# Altium PCB Mainboard_V1.0.PcbDoc (part 4 of 4)
Units mm, origin at the board's own origin, x right, y up, seen from the top; angles counter-clockwise.
Board outline 150 x 150 mm, 4 copper layers (Top Layer, Mid-Layer 1, Mid-Layer 2, Bottom Layer), stack 1.58 mm thick; 217 components, 154 nets, 806 pads, 700 vias.
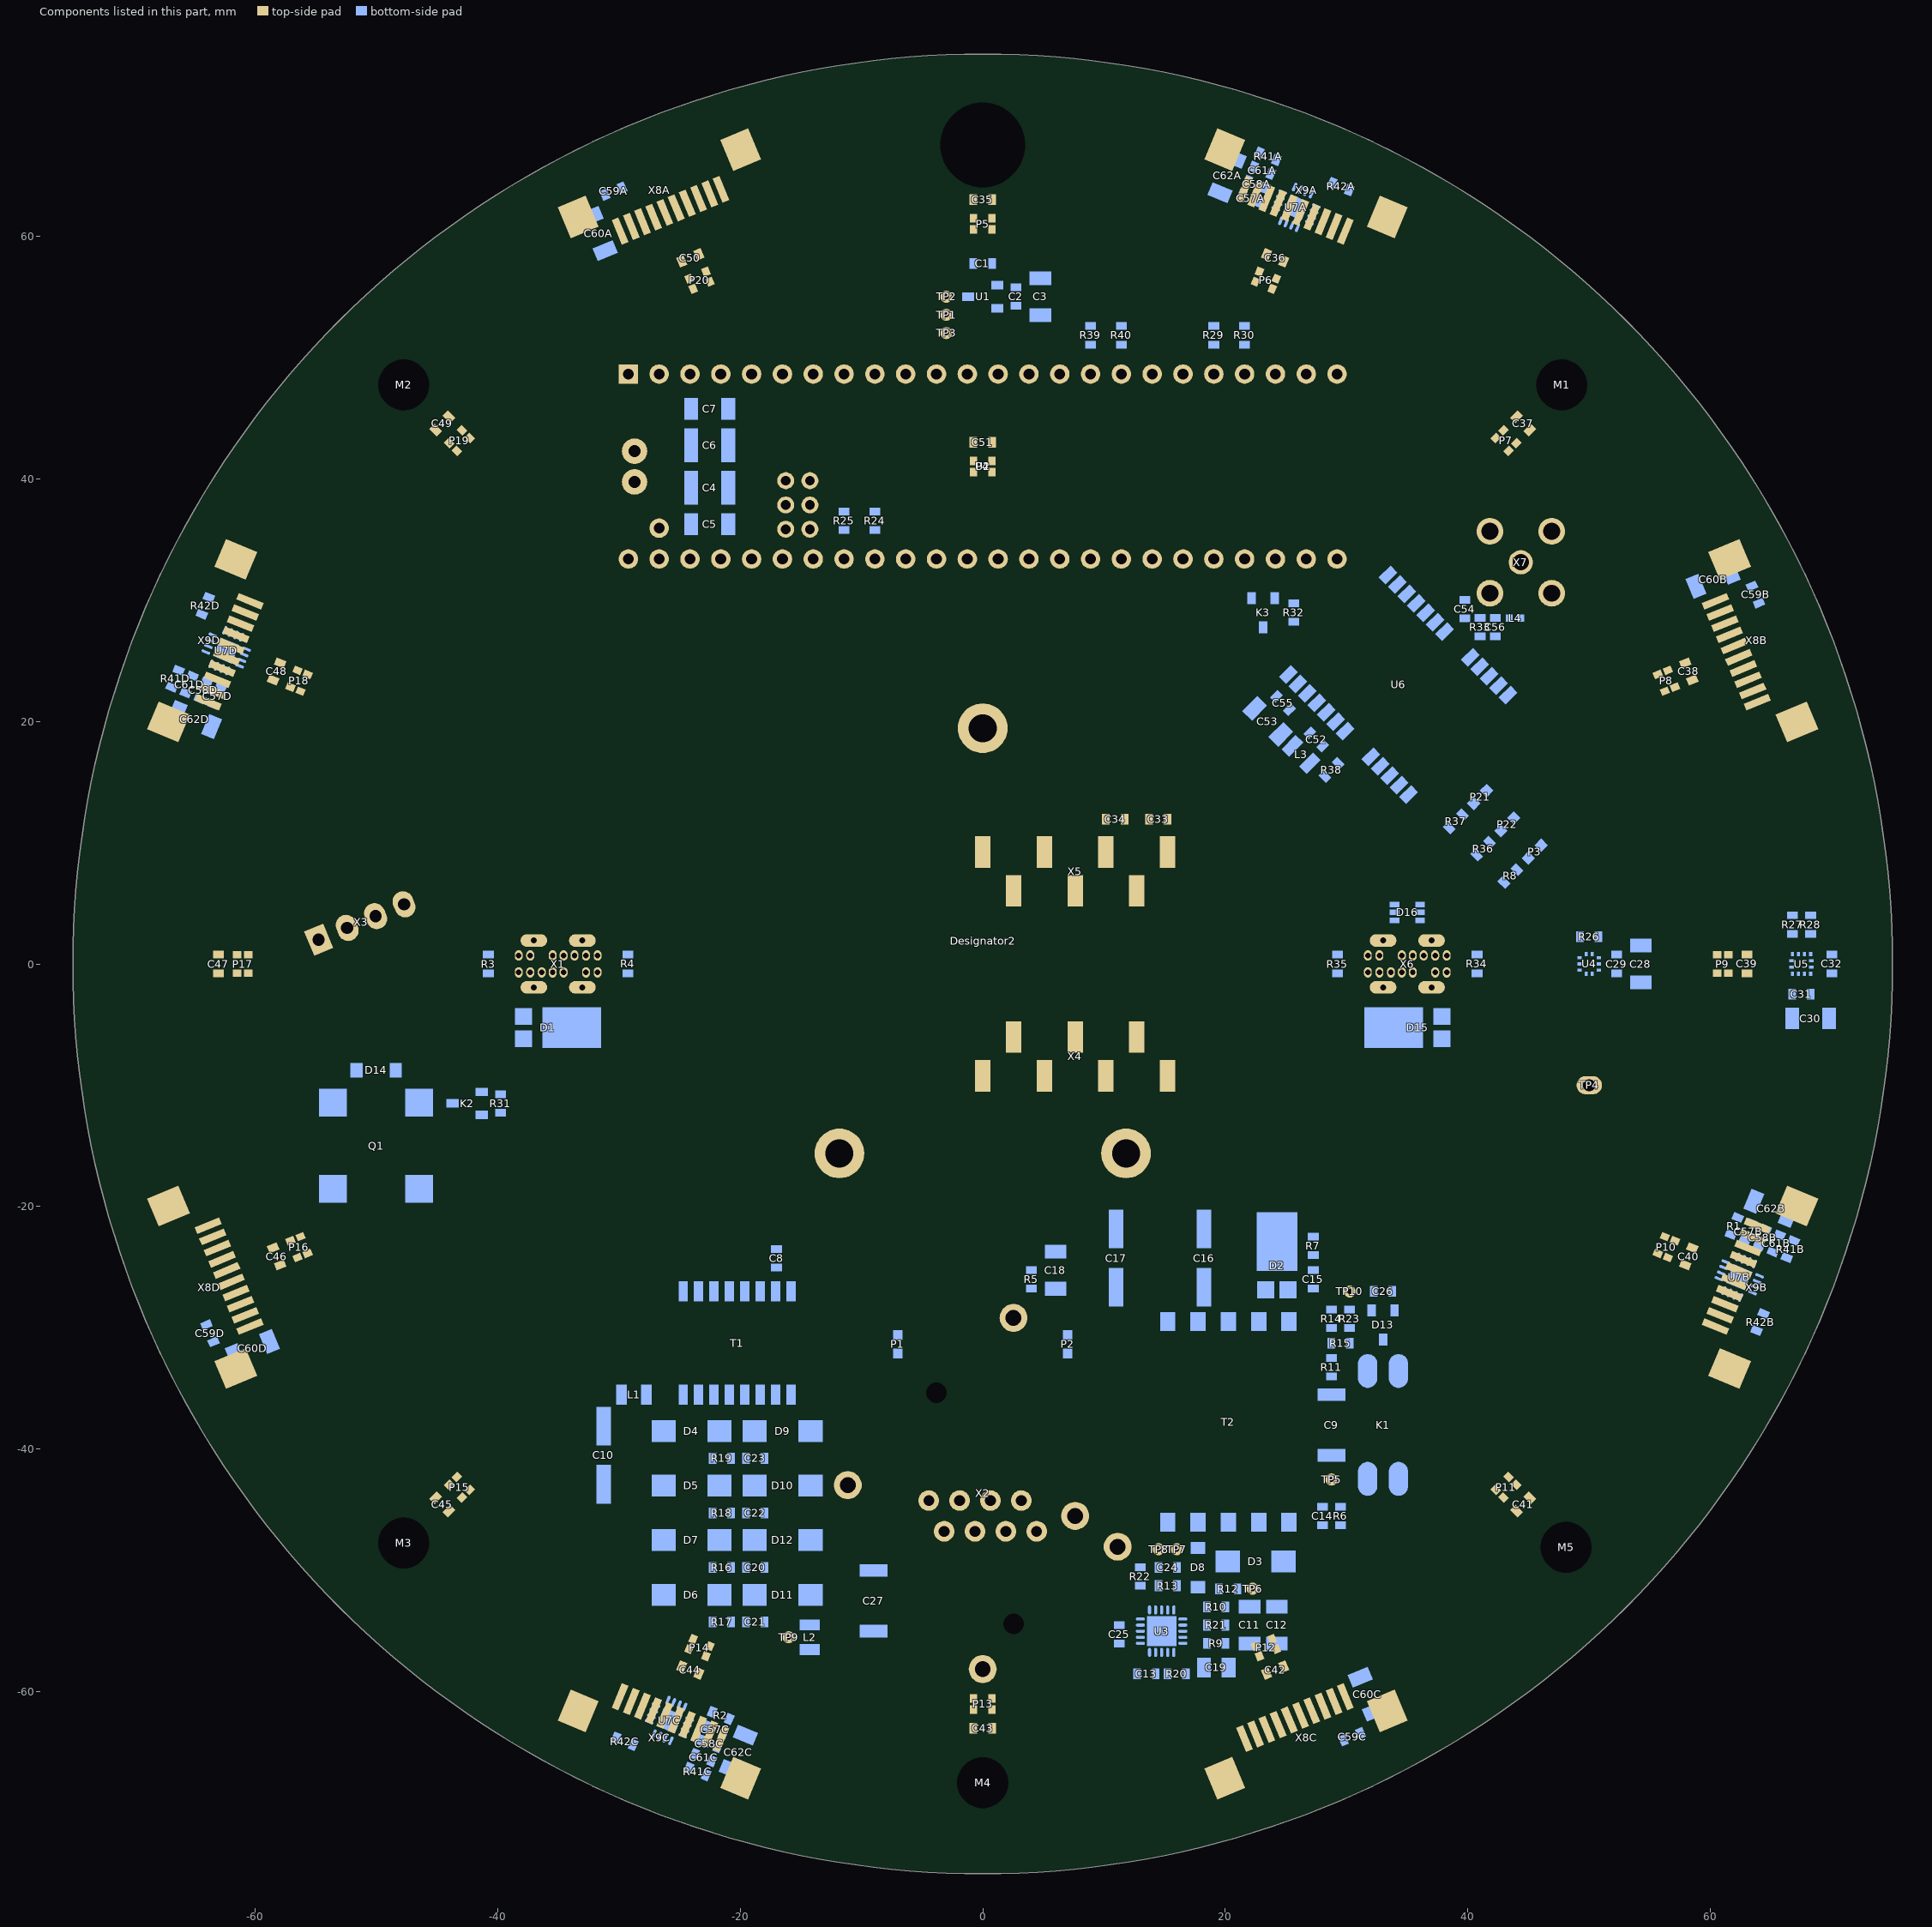
[diagram p6: the components of this part, seen from the top]

## Silkscreen, mask and mechanical layers (free items; w line width, h text height) (continued)
Mechanical 15:
  lines w0.127: -141.58,-61.99 -136.5,-61.99 ; -141.58,-13.73 -136.5,-13.73 ; -141.58,34.53 -136.5,34.53 ; -136.5,-97.55 -22.2,-97.55 ; -136.5,-89.93 -22.2,-89.93 ; -113.64,-105.17 -113.64,-89.93 ; -68.555,-110.25 -68.555,-105.17 ; -68.555,77.71 -68.555,82.79 ; -60.3,-105.17 -60.3,-89.93 -60.3,-74.69 ; -60.3,-82.31 -22.2,-82.31 ; 4.47,-110.25 4.47,-105.17 ; 4.47,77.71 4.47,82.79 ; 13.36,-105.17 -22.2,-105.17 ; 77.495,-110.25 77.495,-105.17 ; 77.495,77.71 77.495,82.79 ; 135.52,-62.25 140.6,-62.25 ; 135.52,-13.25 140.6,-13.25 ; 135.52,34.75 140.6,34.75 ; -136.5,-105.17 135.52,-105.25 135.52,77.75 -136.5,77.71 -136.5,-105.17 ; -136.5,-105.17 -22.2,-105.17 ; -136.5,-105.17 -136.5,-74.69 -60.3,-74.69 ; -60.3,-74.69 -22.2,-74.69 -22.2,-105.17 ; -141.58,-110.25 140.52,-110.25 140.52,82.75 -141.58,82.79 -141.58,-110.25
  text "4" at -104.42,79.361 h1.78
  text "3" at -31.522,79.361 h1.78
  text "2" at 41.63,79.361 h1.78
  text "1" at 114.274,79.361 h1.78
  text "A" at 139.52,56.75 h1.78
  text "A" at -138.405,56.349 h1.78
  text "B" at 138.52,8.75 h1.78
  text "B" at -138.405,8.292 h1.78
  text "C" at -138.405,-40.222 h1.78
  text "C" at 138.52,-40.25 h1.78
  text "TITLE:" at -61.57,-77.23 h1.14
  text "ENGINEER:" at -23.47,-77.23 h1.14
  text "Florian Baumgartner" at -24.966,-81.073 h1.78
  text "PCB DESIGNER:" at -23.47,-84.723 h1.14
  text "Mainboard" at -62.191,-85.315 h4
  text "D" at -138.405,-88.228 h1.78
  text "D" at 138.52,-88.25 h1.78
  text "Florian Baumgartner" at -24.966,-88.693 h1.78
  text "REV:" at -114.91,-92.47 h1.14
  text "PART NO.:" at -61.57,-92.47 h1.14
  text "DATE:" at -23.47,-92.47 h1.14
  text "02.12.2023" at -24.74,-95.518 h1.78
  text "V1.1" at -115.771,-96.313 h1.78
  text "1/1" at -61.796,-96.313 h1.78
  text "SCALE:" at -114.91,-100.09 h1.14
  text "DWG NO:" at -61.57,-100.09 h1.14
  text "FILE NAME:" at -23.47,-100.09 h1.14
  text "Mainboard_V1.0.PcbDoc" at -24.966,-103.298 h1.45
  text "1:1" at -115.771,-103.933 h1.78
  text "1/1" at -61.796,-103.933 h1.78
  text "4" at -104.42,-108.599 h1.78
  text "3" at -31.522,-108.599 h1.78
  text "2" at 41.63,-108.599 h1.78
  text "1" at 114.274,-108.599 h1.78
Mechanical 16:
  lines w0.127: -141.58,-62.25 -136.5,-62.25 ; -141.58,-13.25 -136.5,-13.25 ; -141.58,34.75 -136.5,34.75 ; -78.475,-110.25 -78.475,-105.17 ; -78.475,77.71 -78.475,82.79 ; -14.34,-105.17 21.22,-105.17 ; -5.45,-110.25 -5.45,-105.17 ; -5.45,77.71 -5.45,82.79 ; 21.22,-97.55 135.52,-97.55 ; 21.22,-89.93 135.52,-89.93 ; 21.22,-82.31 59.32,-82.31 ; 59.32,-105.17 59.32,-89.93 59.32,-74.69 ; 67.575,-110.25 67.575,-105.17 ; 67.575,77.71 67.575,82.79 ; 112.66,-105.17 112.66,-89.93 ; 135.52,-61.99 140.6,-61.99 ; 135.52,-13.73 140.6,-13.73 ; 135.52,34.53 140.6,34.53 ; 21.22,-105.17 21.22,-74.69 59.32,-74.69 ; 21.22,-105.17 135.52,-105.17 ; 59.32,-74.69 135.52,-74.69 135.52,-105.17 ; 135.52,-105.17 135.52,77.71 -136.5,77.75 -136.5,-105.25 135.52,-105.17 ; -141.5,-110.25 -141.5,82.75 140.6,82.79 140.6,-110.25 -141.5,-110.25
  text "1" at -115.254,79.361 h1.78
  text "2" at -42.61,79.361 h1.78
  text "3" at 30.542,79.361 h1.78
  text "4" at 103.44,79.361 h1.78
  text "A" at -140.5,56.75 h1.78
  text "A" at 137.425,56.349 h1.78
  text "B" at -139.5,8.75 h1.78
  text "B" at 137.425,8.292 h1.78
  text "C" at 137.425,-40.222 h1.78
  text "C" at -139.5,-40.25 h1.78
  text "ENGINEER:" at 22.49,-77.23 h1.14
  text "TITLE:" at 60.59,-77.23 h1.14
  text "Florian Baumgartner" at 23.534,-81.073 h1.78
  text "PCB DESIGNER:" at 22.49,-84.723 h1.14
  text "Mainboard" at 60.999,-85.315 h4
  text "D" at 137.425,-88.228 h1.78
  text "D" at -139.5,-88.25 h1.78
  text "Florian Baumgartner" at 23.534,-88.693 h1.78
  text "DATE:" at 22.49,-92.47 h1.14
  text "PART NO.:" at 60.59,-92.47 h1.14
  text "REV:" at 113.93,-92.47 h1.14
  text "02.12.2023" at 23.76,-95.518 h1.78
  text "1/1" at 60.364,-96.313 h1.78
  text "V1.1" at 113.704,-96.313 h1.78
  text "FILE NAME:" at 22.49,-100.09 h1.14
  text "DWG NO:" at 60.59,-100.09 h1.14
  text "SCALE:" at 113.93,-100.09 h1.14
  text "Mainboard_V1.0.PcbDoc" at 23.534,-103.298 h1.45
  text "1/1" at 60.364,-103.933 h1.78
  text "1:1" at 113.704,-103.933 h1.78
  text "1" at -115.254,-108.599 h1.78
  text "2" at -42.61,-108.599 h1.78
  text "3" at 30.542,-108.599 h1.78
  text "4" at 103.44,-108.599 h1.78

## Dimensions
0,-75 to 0,75 on Mechanical 4